# Altium PCB roach2.PcbDoc (part 13 of 39)
Units mil, origin at the board's own origin, x right, y up, seen from the top; angles counter-clockwise.
Board outline 12007.87 x 9606.3 mil, 16 copper layers (L1_TOP, L2_G, L3_S, L4_G, L5_S, L6_P, L7_G, L8_R, L9_R, L10_P, L11_P, L12_S, L13_P, L14_S, L15_G, L16_BOT), stack 81.651 mil thick; 1568 components, 1918 nets, 9251 pads, 6741 vias.
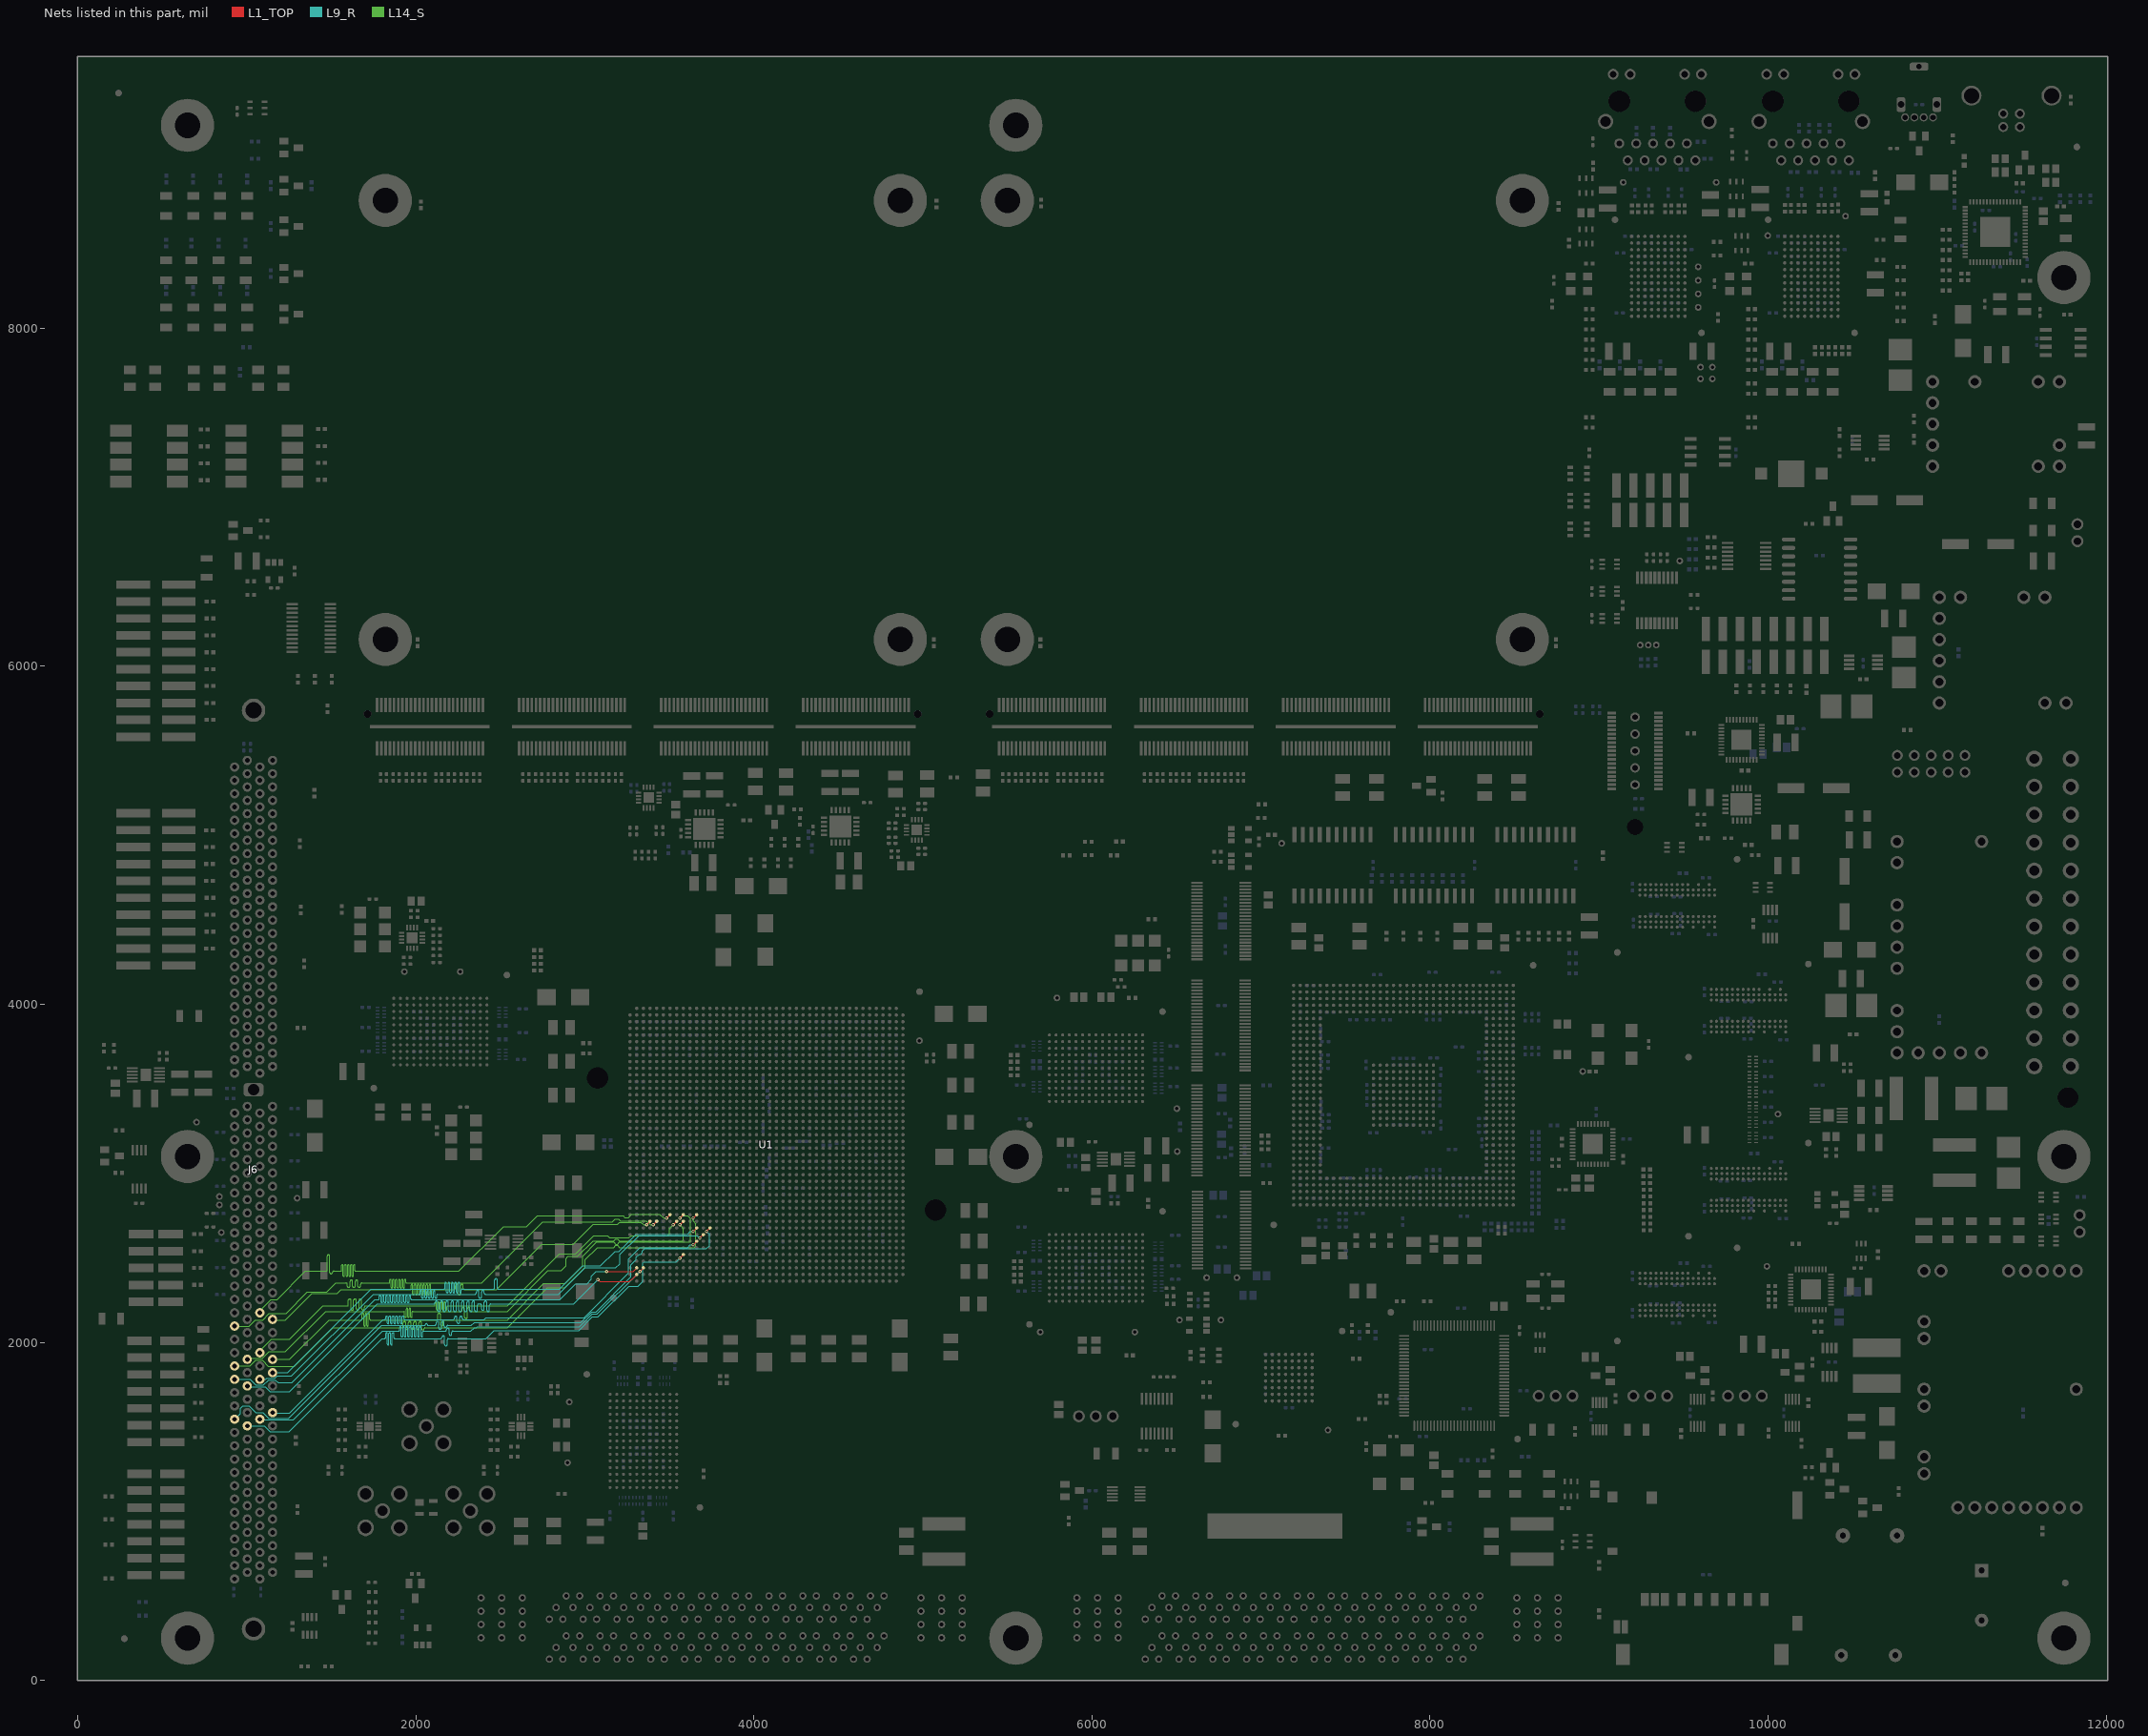
[diagram p27: the nets of this part, all layers, seen from the top]

## Via types
v1: diameter 19.4, hole 10, L1_TOP to L16_BOT, tented both sides, 3354 vias
v2: diameter 19.4, hole 10, L1_TOP to L16_BOT, 1954 vias
v3: diameter 19.4, hole 10, L1_TOP to L16_BOT, tented top, 429 vias
v4: diameter 18.6, hole 10, L1_TOP to L16_BOT, tented both sides, 311 vias
v5: diameter 59.06, hole 39.37, L1_TOP to L16_BOT, 217 vias
v6: diameter 19.4, hole 10.04, L1_TOP to L16_BOT, 125 vias
v7: diameter 19, hole 10, L1_TOP to L16_BOT, 93 vias
v8: diameter 19.4, hole 10, L1_TOP to L16_BOT, tented bottom, 80 vias
v9: diameter 25.98, hole 12.99, L1_TOP to L16_BOT, tented top, 55 vias
v10: diameter 20, hole 10, L1_TOP to L16_BOT, 53 vias
v11: diameter 59.06, hole 39.37, L1_TOP to L16_BOT, tented top, 44 vias
v12: diameter 20, hole 10, L1_TOP to L16_BOT, tented top, 16 vias
v13: diameter 19, hole 10, L1_TOP to L16_BOT, tented top, 5 vias
v14: diameter 25.98, hole 12.99, L1_TOP to L16_BOT, 4 vias
v15: diameter 50, hole 28, L1_TOP to L16_BOT, 1 vias

## Nets (pads, with @x,y where several pads share a name; then routed paths per layer and width w, separated by ;. In a path a pad name is that pad's centre, name@x,y a point inside that pad or via, vN(x,y) a via of type N, cw(c..) or ccw(c..) an arc to the next point about the centre after c; other vN are vias at no path point) (continued)
DDR3.DQ33: J6.82 U1.AV33 | length 3600
  L1_TOP w5: v1(3404.61,2695.31) U1.AV33@3424.3,2715
  L14_S w3.8: J6.82@928.19,2096.54 929.73,2094.99 1012.99,2094.99 1050.99,2132.99 1094.99,2132.99 1132.99,2170.99 1232.99,2170.99 1358.79,2296.79 1472.25,2296.79 1526.45,2350.99 1587.33,2350.99 cw(c1587.33,2343.19) 1595.14,2343.19 1595.14,2333.2 ccw(c1602.95,2333.2) 1602.95,2325.39 ccw(c1602.95,2333.2) 1610.75,2333.2 1610.75,2350.99 1610.75,2360.78 cw(c1618.56,2360.78) 1618.56,2368.59 cw(c1618.56,2360.78) 1626.36,2360.78 1626.36,2350.99 1626.36,2333.2 ccw(c1634.17,2333.2) 1634.17,2325.39 ccw(c1634.17,2333.2) 1641.97,2333.2 1641.97,2350.99 1641.97,2360.78 cw(c1649.78,2360.78) 1649.78,2368.59 cw(c1649.78,2360.78) 1657.58,2360.78 1657.58,2350.99 1657.58,2333.2 ccw(c1665.39,2333.2) 1665.39,2325.39 ccw(c1665.39,2333.2) 1673.19,2333.2 1673.19,2343.19 cw(c1681,2343.19) 1681,2350.99 1840.99,2350.99 ; 2834.99,2712.99 2836.99,2712.99 ; v1(3404.61,2695.31) 3387.3,2695.31 3363.9,2718.71 3210.27,2718.71 3198.38,2730.6 3179.6,2730.6 3161.99,2712.99 2836.99,2712.99 ; 1840.99,2350.99 ccw(c1840.99,2355.39) 1845.39,2355.39 ; 1840.99,2350.99 ccw(c1840.99,2355.39) 1845.39,2355.39 ; 1845.39,2355.39 1845.39,2367.75 ; 1845.39,2367.75 cw(c1849.79,2367.75) 1849.79,2372.15 ; 1845.39,2367.75 cw(c1849.79,2367.75) 1849.79,2372.15 ; 1849.79,2372.15 cw(c1849.79,2367.75) 1854.19,2367.75 ; 1849.79,2372.15 cw(c1849.79,2367.75) 1854.19,2367.75 ; 1854.19,2326.24 ccw(c1858.59,2326.24) 1858.59,2321.84 ; 1854.19,2326.24 ccw(c1858.59,2326.24) 1858.59,2321.84 ; 1854.19,2326.24 1854.19,2367.75 ; 1858.59,2321.84 ccw(c1858.59,2326.24) 1862.99,2326.24 1862.99,2367.75 ; 1862.99,2367.75 cw(c1867.39,2367.75) 1867.39,2372.15 ; 1862.99,2367.75 cw(c1867.39,2367.75) 1867.39,2372.15 ; 1867.39,2372.15 cw(c1867.39,2367.75) 1871.79,2367.75 ; 1867.39,2372.15 cw(c1867.39,2367.75) 1871.79,2367.75 ; 1871.79,2326.24 ccw(c1876.19,2326.24) 1876.19,2321.84 ; 1871.79,2326.24 ccw(c1876.19,2326.24) 1876.19,2321.84 ; 1871.79,2326.24 1871.79,2367.75 ; 1876.19,2321.84 ccw(c1876.19,2326.24) 1880.59,2326.24 1880.59,2367.75 ; 1880.59,2367.75 cw(c1884.99,2367.75) 1884.99,2372.15 ; 1880.59,2367.75 cw(c1884.99,2367.75) 1884.99,2372.15 ; 1884.99,2372.15 cw(c1884.99,2367.75) 1889.39,2367.75 ; 1884.99,2372.15 cw(c1884.99,2367.75) 1889.39,2367.75 ; 1889.39,2326.24 ccw(c1893.79,2326.24) 1893.79,2321.84 ; 1889.39,2326.24 ccw(c1893.79,2326.24) 1893.79,2321.84 ; 1889.39,2326.24 1889.39,2367.75 ; 1893.79,2321.84 ccw(c1893.79,2326.24) 1898.19,2326.24 1898.19,2367.75 ; 1898.19,2367.75 cw(c1902.59,2367.75) 1902.59,2372.15 ; 1898.19,2367.75 cw(c1902.59,2367.75) 1902.59,2372.15 ; 1902.59,2372.15 cw(c1902.59,2367.75) 1906.99,2367.75 ; 1902.59,2372.15 cw(c1902.59,2367.75) 1906.99,2367.75 ; 1906.99,2326.24 ccw(c1911.39,2326.24) 1911.39,2321.84 ; 1906.99,2326.24 ccw(c1911.39,2326.24) 1911.39,2321.84 ; 1906.99,2326.24 1906.99,2367.75 ; 1911.39,2321.84 ccw(c1911.39,2326.24) 1915.79,2326.24 1915.79,2367.75 ; 1915.79,2367.75 cw(c1920.19,2367.75) 1920.19,2372.15 ; 1915.79,2367.75 cw(c1920.19,2367.75) 1920.19,2372.15 ; 1920.19,2372.15 cw(c1920.19,2367.75) 1924.59,2367.75 ; 1920.19,2372.15 cw(c1920.19,2367.75) 1924.59,2367.75 ; 1924.59,2326.24 ccw(c1928.99,2326.24) 1928.99,2321.84 ; 1924.59,2326.24 ccw(c1928.99,2326.24) 1928.99,2321.84 ; 1924.59,2326.24 1924.59,2367.75 ; 1928.99,2321.84 ccw(c1928.99,2326.24) 1933.39,2326.24 1933.39,2367.75 ; 1933.39,2367.75 cw(c1937.79,2367.75) 1937.79,2372.15 ; 1933.39,2367.75 cw(c1937.79,2367.75) 1937.79,2372.15 ; 1937.79,2372.15 cw(c1937.79,2367.75) 1942.19,2367.75 ; 1937.79,2372.15 cw(c1937.79,2367.75) 1942.19,2367.75 ; 1942.19,2355.39 ccw(c1946.59,2355.39) 1946.59,2350.99 ; 1942.19,2355.39 ccw(c1946.59,2355.39) 1946.59,2350.99 ; 1942.19,2355.39 1942.19,2367.75 ; 1946.59,2350.99 2388.99,2350.99 2750.99,2712.99 2836.99,2712.99
DDR3.DQ34: J6.87 U1.AP33 | length 3600
  L1_TOP w5: v1(3562.09,2695.31) U1.AP33@3581.78,2715
  L14_S w3.8: J6.87@1002.99,1899.68 1008.9,1905.6 1091.66,1905.6 1131.03,1944.97 1228.97,1944.97 1466.99,2182.99 1930.19,2182.99 ; 1943.39,2182.99 1943.39,2152.64 ; 1952.19,2182.99 1952.19,2152.64 ; 1969.79,2182.99 1969.79,2152.64 ; v1(3562.09,2695.31) 3584,2673.41 3584,2605.97 3579,2600.97 3206.06,2600.97 3194.54,2612.49 3181.62,2612.49 3170.1,2600.97 3048.97,2600.97 2956.99,2508.99 2900.99,2508.99 2888.42,2496.42 2888.42,2453.32 2860.09,2424.99 2782.99,2424.99 2540.99,2182.99 2459,2182.99 2328.44,2182.99 cw(c2328.44,2190.8) 2320.64,2190.8 2320.64,2198.74 ccw(c2312.83,2198.74) 2312.83,2206.55 ccw(c2312.83,2198.74) 2305.03,2198.74 2305.03,2182.99 2305.03,2149.24 cw(c2297.22,2149.24) 2297.22,2141.44 cw(c2297.22,2149.24) 2289.42,2149.24 2289.42,2182.99 2289.42,2198.74 ccw(c2281.61,2198.74) 2281.61,2206.55 ccw(c2281.61,2198.74) 2273.81,2198.74 2273.81,2190.8 cw(c2266,2190.8) 2266,2182.99 1982.99,2182.99 ; 1930.19,2182.99 cw(c1930.19,2178.59) 1934.59,2178.59 ; 1930.19,2182.99 cw(c1930.19,2178.59) 1934.59,2178.59 ; 1934.59,2152.64 ccw(c1938.99,2152.64) 1938.99,2148.24 ; 1934.59,2152.64 ccw(c1938.99,2152.64) 1938.99,2148.24 ; 1934.59,2152.64 1934.59,2178.59 ; 1938.99,2148.24 ccw(c1938.99,2152.64) 1943.39,2152.64 ; 1943.39,2152.64 1943.39,2197.54 ; 1943.39,2197.54 cw(c1947.79,2197.54) 1947.79,2201.94 ; 1943.39,2197.54 cw(c1947.79,2197.54) 1947.79,2201.94 ; 1947.79,2201.94 cw(c1947.79,2197.54) 1952.19,2197.54 ; 1947.79,2201.94 cw(c1947.79,2197.54) 1952.19,2197.54 ; 1952.19,2152.64 ccw(c1956.59,2152.64) 1956.59,2148.24 ; 1952.19,2152.64 ccw(c1956.59,2152.64) 1956.59,2148.24 ; 1952.19,2152.64 1952.19,2197.54 ; 1956.59,2148.24 ccw(c1956.59,2152.64) 1960.99,2152.64 1960.99,2197.54 ; 1960.99,2197.54 cw(c1965.39,2197.54) 1965.39,2201.94 ; 1960.99,2197.54 cw(c1965.39,2197.54) 1965.39,2201.94 ; 1965.39,2201.94 cw(c1965.39,2197.54) 1969.79,2197.54 ; 1965.39,2201.94 cw(c1965.39,2197.54) 1969.79,2197.54 ; 1969.79,2152.64 ccw(c1974.19,2152.64) 1974.19,2148.24 ; 1969.79,2152.64 ccw(c1974.19,2152.64) 1974.19,2148.24 ; 1969.79,2152.64 1969.79,2197.54 ; 1974.19,2148.24 ccw(c1974.19,2152.64) 1978.59,2152.64 1978.59,2178.59 ; 1978.59,2178.59 cw(c1982.99,2178.59) 1982.99,2182.99 ; 1978.59,2178.59 cw(c1982.99,2178.59) 1982.99,2182.99
DDR3.DQ35: J6.88 U1.AM32 | length 3600
  L1_TOP w5: v1(3640.83,2734.68) U1.AM32@3660.52,2754.37
  L14_S w3.8: J6.88@928.19,1860.31 1020.31,1860.31 1053.77,1893.77 1092.21,1893.77 1126.99,1858.99 1282.99,1858.99 1509.96,2085.96 1688,2085.96 1917.5,2085.96 ccw(c1917.5,2093.77) 1925.31,2093.77 1925.31,2114.77 cw(c1933.11,2114.77) 1933.11,2122.57 cw(c1933.11,2114.77) 1940.92,2114.77 1940.92,2085.96 1940.92,2084.29 ccw(c1948.72,2084.29) 1948.72,2076.49 ccw(c1948.72,2084.29) 1956.53,2084.29 1956.53,2085.96 1956.53,2114.77 cw(c1964.33,2114.77) 1964.33,2122.57 cw(c1964.33,2114.77) 1972.14,2114.77 1972.14,2085.96 1972.14,2084.29 ccw(c1979.95,2084.29) 1979.95,2076.49 ccw(c1979.95,2084.29) 1987.75,2084.29 1987.75,2085.96 1987.75,2114.77 cw(c1995.56,2114.77) 1995.56,2122.57 cw(c1995.56,2114.77) 2003.36,2114.77 2003.36,2085.96 2003.36,2084.29 ccw(c2011.17,2084.29) 2011.17,2076.49 ccw(c2011.17,2084.29) 2018.97,2084.29 2018.97,2085.96 2018.97,2114.77 cw(c2026.78,2114.77) 2026.78,2122.57 cw(c2026.78,2114.77) 2034.58,2114.77 2034.58,2085.96 2034.58,2081.67 ccw(c2042.39,2081.67) 2042.39,2073.87 ccw(c2042.39,2081.67) 2050.19,2081.67 cw(c2054.48,2081.67) 2054.48,2085.96 2058,2085.96 2541.96,2085.96 2778.99,2322.99 2880.99,2322.99 3002.99,2444.99 3002.99,2488.99 3075.6,2561.6 3170.1,2561.6 3181.62,2573.12 3194.54,2573.12 3206.06,2561.6 3647.3,2561.6 3656.43,2570.74 3656.43,2701.78 3640.83,2717.38 v1(3640.83,2734.68)
DDR3.DQ36: J6.200 U1.AT32 | length 3600
  L1_TOP w5: v1(3483.35,2734.68) U1.AT32@3503.04,2754.37
  L14_S w3.8: J6.200@1077.8,2175.28 1077.8,2187.16 1143.63,2252.99 1178.99,2252.99 1346.99,2420.99 1468.17,2420.99 ccw(c1468.17,2428.8) 1475.97,2428.8 1475.97,2509.89 cw(c1483.78,2509.89) 1483.78,2517.7 cw(c1483.78,2509.89) 1491.58,2509.89 1491.58,2413.19 ccw(c1499.39,2413.19) 1499.39,2405.38 ccw(c1499.39,2413.19) 1507.19,2413.19 cw(c1515,2413.19) 1515,2420.99 1556.99,2420.99 ; v1(3483.35,2734.68) 3466.04,2734.68 3442.64,2758.08 3276.81,2758.08 3257.5,2738.77 3236.67,2738.77 3227.53,2747.91 3227.53,2748.45 3226.99,2748.99 2718.99,2748.99 2655,2685 2519,2685 2254.99,2420.99 1644.99,2420.99 ; 1556.99,2420.99 ccw(c1556.99,2425.39) 1561.39,2425.39 ; 1556.99,2420.99 ccw(c1556.99,2425.39) 1561.39,2425.39 ; 1561.39,2425.39 1561.39,2454.64 ; 1561.39,2454.64 cw(c1565.79,2454.64) 1565.79,2459.04 ; 1561.39,2454.64 cw(c1565.79,2454.64) 1565.79,2459.04 ; 1565.79,2459.04 cw(c1565.79,2454.64) 1570.19,2454.64 ; 1565.79,2459.04 cw(c1565.79,2454.64) 1570.19,2454.64 ; 1570.19,2395.15 ccw(c1574.59,2395.15) 1574.59,2390.75 ; 1570.19,2395.15 ccw(c1574.59,2395.15) 1574.59,2390.75 ; 1570.19,2395.15 1570.19,2454.64 ; 1574.59,2390.75 ccw(c1574.59,2395.15) 1578.99,2395.15 1578.99,2454.64 ; 1578.99,2454.64 cw(c1583.39,2454.64) 1583.39,2459.04 ; 1578.99,2454.64 cw(c1583.39,2454.64) 1583.39,2459.04 ; 1583.39,2459.04 cw(c1583.39,2454.64) 1587.79,2454.64 ; 1583.39,2459.04 cw(c1583.39,2454.64) 1587.79,2454.64 ; 1587.79,2395.15 ccw(c1592.19,2395.15) 1592.19,2390.75 ; 1587.79,2395.15 ccw(c1592.19,2395.15) 1592.19,2390.75 ; 1587.79,2395.15 1587.79,2454.64 ; 1592.19,2390.75 ccw(c1592.19,2395.15) 1596.59,2395.15 1596.59,2454.64 ; 1596.59,2454.64 cw(c1600.99,2454.64) 1600.99,2459.04 ; 1596.59,2454.64 cw(c1600.99,2454.64) 1600.99,2459.04 ; 1600.99,2459.04 cw(c1600.99,2454.64) 1605.39,2454.64 ; 1600.99,2459.04 cw(c1600.99,2454.64) 1605.39,2454.64 ; 1605.39,2395.15 ccw(c1609.79,2395.15) 1609.79,2390.75 ; 1605.39,2395.15 ccw(c1609.79,2395.15) 1609.79,2390.75 ; 1605.39,2395.15 1605.39,2454.64 ; 1609.79,2390.75 ccw(c1609.79,2395.15) 1614.19,2395.15 1614.19,2454.64 ; 1614.19,2454.64 cw(c1618.59,2454.64) 1618.59,2459.04 ; 1614.19,2454.64 cw(c1618.59,2454.64) 1618.59,2459.04 ; 1618.59,2459.04 cw(c1618.59,2454.64) 1622.99,2454.64 ; 1618.59,2459.04 cw(c1618.59,2454.64) 1622.99,2454.64 ; 1622.99,2395.15 ccw(c1627.39,2395.15) 1627.39,2390.75 ; 1622.99,2395.15 ccw(c1627.39,2395.15) 1627.39,2390.75 ; 1622.99,2395.15 1622.99,2454.64 ; 1627.39,2390.75 ccw(c1627.39,2395.15) 1631.79,2395.15 1631.79,2454.64 ; 1631.79,2454.64 cw(c1636.19,2454.64) 1636.19,2459.04 ; 1631.79,2454.64 cw(c1636.19,2454.64) 1636.19,2459.04 ; 1636.19,2459.04 cw(c1636.19,2454.64) 1640.59,2454.64 ; 1636.19,2459.04 cw(c1636.19,2454.64) 1640.59,2454.64 ; 1640.59,2425.39 ccw(c1644.99,2425.39) 1644.99,2420.99 ; 1640.59,2425.39 ccw(c1644.99,2425.39) 1644.99,2420.99 ; 1640.59,2425.39 1640.59,2454.64
DDR3.DQ37: J6.201 U1.AW33 | length 3600
  L1_TOP w5: v1(3365.24,2695.31) U1.AW33@3384.93,2715
  L14_S w3.8: J6.201@1152.6,2135.91 1155.51,2132.99 1228.99,2132.99 1384.99,2288.99 1534.99,2288.99 1558.99,2312.99 1968.99,2312.99 ; v1(3365.24,2695.31) 3347.93,2695.31 3332.33,2710.91 3206.05,2710.91 3194.54,2699.4 3050.4,2699.4 2930.99,2579.99 2743.99,2579.99 2476.99,2312.99 2288.44,2312.99 cw(c2288.44,2320.8) 2280.64,2320.8 2280.64,2335.01 ccw(c2272.83,2335.01) 2272.83,2342.82 ccw(c2272.83,2335.01) 2265.03,2335.01 2265.03,2312.99 2265.03,2288.97 cw(c2257.22,2288.97) 2257.22,2281.17 cw(c2257.22,2288.97) 2249.42,2288.97 2249.42,2312.99 2249.42,2335.01 ccw(c2241.61,2335.01) 2241.61,2342.82 ccw(c2241.61,2335.01) 2233.81,2335.01 2233.81,2320.8 cw(c2226,2320.8) 2226,2312.99 2100.99,2312.99 ; 1968.99,2312.99 ccw(c1968.99,2317.39) 1973.39,2317.39 ; 1968.99,2312.99 ccw(c1968.99,2317.39) 1973.39,2317.39 ; 1973.39,2317.39 1973.39,2338.09 ; 1973.39,2338.09 cw(c1977.79,2338.09) 1977.79,2342.49 ; 1973.39,2338.09 cw(c1977.79,2338.09) 1977.79,2342.49 ; 1977.79,2342.49 cw(c1977.79,2338.09) 1982.19,2338.09 ; 1977.79,2342.49 cw(c1977.79,2338.09) 1982.19,2338.09 ; 1982.19,2285.89 ccw(c1986.59,2285.89) 1986.59,2281.49 ; 1982.19,2285.89 ccw(c1986.59,2285.89) 1986.59,2281.49 ; 1982.19,2285.89 1982.19,2338.09 ; 1986.59,2281.49 ccw(c1986.59,2285.89) 1990.99,2285.89 1990.99,2338.09 ; 1990.99,2338.09 cw(c1995.39,2338.09) 1995.39,2342.49 ; 1990.99,2338.09 cw(c1995.39,2338.09) 1995.39,2342.49 ; 1995.39,2342.49 cw(c1995.39,2338.09) 1999.79,2338.09 ; 1995.39,2342.49 cw(c1995.39,2338.09) 1999.79,2338.09 ; 1999.79,2285.89 ccw(c2004.19,2285.89) 2004.19,2281.49 ; 1999.79,2285.89 ccw(c2004.19,2285.89) 2004.19,2281.49 ; 1999.79,2285.89 1999.79,2338.09 ; 2004.19,2281.49 ccw(c2004.19,2285.89) 2008.59,2285.89 2008.59,2338.09 ; 2008.59,2338.09 cw(c2012.99,2338.09) 2012.99,2342.49 ; 2008.59,2338.09 cw(c2012.99,2338.09) 2012.99,2342.49 ; 2012.99,2342.49 cw(c2012.99,2338.09) 2017.39,2338.09 ; 2012.99,2342.49 cw(c2012.99,2338.09) 2017.39,2338.09 ; 2017.39,2285.89 ccw(c2021.79,2285.89) 2021.79,2281.49 ; 2017.39,2285.89 ccw(c2021.79,2285.89) 2021.79,2281.49 ; 2017.39,2285.89 2017.39,2338.09 ; 2021.79,2281.49 ccw(c2021.79,2285.89) 2026.19,2285.89 2026.19,2338.09 ; 2026.19,2338.09 cw(c2030.59,2338.09) 2030.59,2342.49 ; 2026.19,2338.09 cw(c2030.59,2338.09) 2030.59,2342.49 ; 2030.59,2342.49 cw(c2030.59,2338.09) 2034.99,2338.09 ; 2030.59,2342.49 cw(c2030.59,2338.09) 2034.99,2338.09 ; 2034.99,2285.89 ccw(c2039.39,2285.89) 2039.39,2281.49 ; 2034.99,2285.89 ccw(c2039.39,2285.89) 2039.39,2281.49 ; 2034.99,2285.89 2034.99,2338.09 ; 2039.39,2281.49 ccw(c2039.39,2285.89) 2043.79,2285.89 2043.79,2338.09 ; 2043.79,2338.09 cw(c2048.19,2338.09) 2048.19,2342.49 ; 2043.79,2338.09 cw(c2048.19,2338.09) 2048.19,2342.49 ; 2048.19,2342.49 cw(c2048.19,2338.09) 2052.59,2338.09 ; 2048.19,2342.49 cw(c2048.19,2338.09) 2052.59,2338.09 ; 2052.59,2285.89 ccw(c2056.99,2285.89) 2056.99,2281.49 ; 2052.59,2285.89 ccw(c2056.99,2285.89) 2056.99,2281.49 ; 2052.59,2285.89 2052.59,2338.09 ; 2056.99,2281.49 ccw(c2056.99,2285.89) 2061.39,2285.89 2061.39,2338.09 ; 2061.39,2338.09 cw(c2065.79,2338.09) 2065.79,2342.49 ; 2061.39,2338.09 cw(c2065.79,2338.09) 2065.79,2342.49 ; 2065.79,2342.49 cw(c2065.79,2338.09) 2070.19,2338.09 ; 2065.79,2342.49 cw(c2065.79,2338.09) 2070.19,2338.09 ; 2070.19,2285.89 ccw(c2074.59,2285.89) 2074.59,2281.49 ; 2070.19,2285.89 ccw(c2074.59,2285.89) 2074.59,2281.49 ; 2070.19,2285.89 2070.19,2338.09 ; 2074.59,2281.49 ccw(c2074.59,2285.89) 2078.99,2285.89 2078.99,2338.09 ; 2078.99,2338.09 cw(c2083.39,2338.09) 2083.39,2342.49 ; 2078.99,2338.09 cw(c2083.39,2338.09) 2083.39,2342.49 ; 2083.39,2342.49 cw(c2083.39,2338.09) 2087.79,2338.09 ; 2083.39,2342.49 cw(c2083.39,2338.09) 2087.79,2338.09 ; 2087.79,2285.89 ccw(c2092.19,2285.89) 2092.19,2281.49 ; 2087.79,2285.89 ccw(c2092.19,2285.89) 2092.19,2281.49 ; 2087.79,2285.89 2087.79,2338.09 ; 2092.19,2281.49 ccw(c2092.19,2285.89) 2096.59,2285.89 2096.59,2308.59 ; 2096.59,2308.59 cw(c2100.99,2308.59) 2100.99,2312.99 ; 2096.59,2308.59 cw(c2100.99,2308.59) 2100.99,2312.99
DDR3.DQ38: J6.206 U1.AR33 | length 3600
  L1_TOP w5: v1(3522.72,2695.31) U1.AR33@3542.41,2715
  L14_S w3.8: J6.206@1077.8,1939.06 1077.8,1950.94 1145.85,2018.99 1254.99,2018.99 1450.99,2214.99 1593.72,2214.99 ccw(c1593.72,2222.8) 1601.53,2222.8 1601.53,2248.92 cw(c1609.33,2248.92) 1609.33,2256.72 cw(c1609.33,2248.92) 1617.14,2248.92 1617.14,2214.99 1617.14,2199.27 ccw(c1624.95,2199.27) 1624.95,2191.46 ccw(c1624.95,2199.27) 1632.75,2199.27 1632.75,2214.99 1632.75,2248.92 cw(c1640.56,2248.92) 1640.56,2256.72 cw(c1640.56,2248.92) 1648.36,2248.92 1648.36,2214.99 1648.36,2199.27 ccw(c1656.17,2199.27) 1656.17,2191.46 ccw(c1656.17,2199.27) 1663.97,2199.27 1663.97,2214.99 1663.97,2248.92 cw(c1671.78,2248.92) 1671.78,2256.72 cw(c1671.78,2248.92) 1679.58,2248.92 1679.58,2214.99 1679.58,2199.27 ccw(c1687.39,2199.27) 1687.39,2191.46 ccw(c1687.39,2199.27) 1695.19,2199.27 1695.19,2207.19 cw(c1703,2207.19) 1703,2214.99 2108.99,2214.99 ; v1(3522.72,2695.31) 3501,2673.59 3501,2644 3489.17,2632.17 3274.17,2632.17 3262.66,2620.66 3147,2620.66 3135.49,2632.17 3052.17,2632.17 2944.99,2524.99 2850.99,2524.99 2540.99,2214.99 2188.19,2214.99 ; 2108.99,2214.99 ccw(c2108.99,2219.39) 2113.39,2219.39 ; 2108.99,2214.99 ccw(c2108.99,2219.39) 2113.39,2219.39 ; 2113.39,2219.39 2113.39,2233.89 ; 2113.39,2233.89 cw(c2117.79,2233.89) 2117.79,2238.29 ; 2113.39,2233.89 cw(c2117.79,2233.89) 2117.79,2238.29 ; 2117.79,2238.29 cw(c2117.79,2233.89) 2122.19,2233.89 ; 2117.79,2238.29 cw(c2117.79,2233.89) 2122.19,2233.89 ; 2122.19,2196.1 ccw(c2126.59,2196.1) 2126.59,2191.7 ; 2122.19,2196.1 ccw(c2126.59,2196.1) 2126.59,2191.7 ; 2122.19,2196.1 2122.19,2233.89 ; 2126.59,2191.7 ccw(c2126.59,2196.1) 2130.99,2196.1 2130.99,2233.89 ; 2130.99,2233.89 cw(c2135.39,2233.89) 2135.39,2238.29 ; 2130.99,2233.89 cw(c2135.39,2233.89) 2135.39,2238.29 ; 2135.39,2238.29 cw(c2135.39,2233.89) 2139.79,2233.89 ; 2135.39,2238.29 cw(c2135.39,2233.89) 2139.79,2233.89 ; 2139.79,2196.1 ccw(c2144.19,2196.1) 2144.19,2191.7 ; 2139.79,2196.1 ccw(c2144.19,2196.1) 2144.19,2191.7 ; 2139.79,2196.1 2139.79,2233.89 ; 2144.19,2191.7 ccw(c2144.19,2196.1) 2148.59,2196.1 2148.59,2233.89 ; 2148.59,2233.89 cw(c2152.99,2233.89) 2152.99,2238.29 ; 2148.59,2233.89 cw(c2152.99,2233.89) 2152.99,2238.29 ; 2152.99,2238.29 cw(c2152.99,2233.89) 2157.39,2233.89 ; 2152.99,2238.29 cw(c2152.99,2233.89) 2157.39,2233.89 ; 2157.39,2196.1 ccw(c2161.79,2196.1) 2161.79,2191.7 ; 2157.39,2196.1 ccw(c2161.79,2196.1) 2161.79,2191.7 ; 2157.39,2196.1 2157.39,2233.89 ; 2161.79,2191.7 ccw(c2161.79,2196.1) 2166.19,2196.1 2166.19,2233.89 ; 2166.19,2233.89 cw(c2170.59,2233.89) 2170.59,2238.29 ; 2166.19,2233.89 cw(c2170.59,2233.89) 2170.59,2238.29 ; 2170.59,2238.29 cw(c2170.59,2233.89) 2174.99,2233.89 ; 2170.59,2238.29 cw(c2170.59,2233.89) 2174.99,2233.89 ; 2174.99,2196.1 ccw(c2179.39,2196.1) 2179.39,2191.7 ; 2174.99,2196.1 ccw(c2179.39,2196.1) 2179.39,2191.7 ; 2174.99,2196.1 2174.99,2233.89 ; 2179.39,2191.7 ccw(c2179.39,2196.1) 2183.79,2196.1 2183.79,2210.59 ; 2183.79,2210.59 cw(c2188.19,2210.59) 2188.19,2214.99 ; 2183.79,2210.59 cw(c2188.19,2210.59) 2188.19,2214.99
DDR3.DQ39: J6.207 U1.AP32 | length 3600
  L1_TOP w5: v1(3562.09,2734.68) U1.AP32@3581.78,2754.37
  L14_S w3.8: J6.207@1152.6,1899.68 1253.68,1899.68 1486.99,2132.99 1678.99,2132.99 ; v1@3567.3,2734.68 v1(3562.09,2734.68) 3577.69,2750.28 3607.93,2750.28 3624.86,2733.35 3624.86,2597.86 3620.17,2593.17 3611.16,2593.17 3601.36,2593.17 3600.99,2592.8 3206.05,2592.8 3194.54,2581.29 3181.62,2581.29 3170.1,2592.8 3070.8,2592.8 2988.42,2510.42 2988.42,2453.32 2884.09,2348.99 2756.99,2348.99 2540.99,2132.99 2435,2132.99 2169.83,2132.99 ccw(c2169.83,2125.19) 2162.03,2125.19 2162.03,2104.53 cw(c2154.22,2104.53) 2154.22,2096.72 cw(c2154.22,2104.53) 2146.42,2104.53 2146.42,2132.99 2146.42,2164.43 ccw(c2138.61,2164.43) 2138.61,2172.23 ccw(c2138.61,2164.43) 2130.81,2164.43 2130.81,2140.8 cw(c2123,2140.8) 2123,2132.99 1731.79,2132.99 ; 1678.99,2132.99 ccw(c1678.99,2137.39) 1683.39,2137.39 ; 1678.99,2132.99 ccw(c1678.99,2137.39) 1683.39,2137.39 ; 1683.39,2137.39 1683.39,2166.24 ; 1683.39,2166.24 cw(c1687.79,2166.24) 1687.79,2170.64 ; 1683.39,2166.24 cw(c1687.79,2166.24) 1687.79,2170.64 ; 1687.79,2170.64 cw(c1687.79,2166.24) 1692.19,2166.24 ; 1687.79,2170.64 cw(c1687.79,2166.24) 1692.19,2166.24 ; 1692.19,2100.51 ccw(c1696.59,2100.51) 1696.59,2096.11 ; 1692.19,2100.51 ccw(c1696.59,2100.51) 1696.59,2096.11 ; 1692.19,2100.51 1692.19,2166.24 ; 1696.59,2096.11 ccw(c1696.59,2100.51) 1700.99,2100.51 1700.99,2166.24 ; 1700.99,2166.24 cw(c1705.39,2166.24) 1705.39,2170.64 ; 1700.99,2166.24 cw(c1705.39,2166.24) 1705.39,2170.64 ; 1705.39,2170.64 cw(c1705.39,2166.24) 1709.79,2166.24 ; 1705.39,2170.64 cw(c1705.39,2166.24) 1709.79,2166.24 ; 1709.79,2100.51 ccw(c1714.19,2100.51) 1714.19,2096.11 ; 1709.79,2100.51 ccw(c1714.19,2100.51) 1714.19,2096.11 ; 1709.79,2100.51 1709.79,2166.24 ; 1714.19,2096.11 ccw(c1714.19,2100.51) 1718.59,2100.51 1718.59,2166.24 ; 1718.59,2166.24 cw(c1722.99,2166.24) 1722.99,2170.64 ; 1718.59,2166.24 cw(c1722.99,2166.24) 1722.99,2170.64 ; 1722.99,2170.64 cw(c1722.99,2166.24) 1727.39,2166.24 ; 1722.99,2170.64 cw(c1722.99,2166.24) 1727.39,2166.24 ; 1727.39,2137.39 ccw(c1731.79,2137.39) 1731.79,2132.99 ; 1727.39,2137.39 ccw(c1731.79,2137.39) 1731.79,2132.99 ; 1727.39,2137.39 1727.39,2166.24